# Altium PCB SV601187A.PcbDoc
Units mil, origin at the board's own origin, x right, y up, seen from the top; angles counter-clockwise.
Board outline 3505.91 x 2146 mil, 4 copper layers (Top Layer, MidLayer1, MidLayer2, Bottom Layer), stack 61.2 mil thick; 61 components, 29 nets, 173 pads, 46 vias.
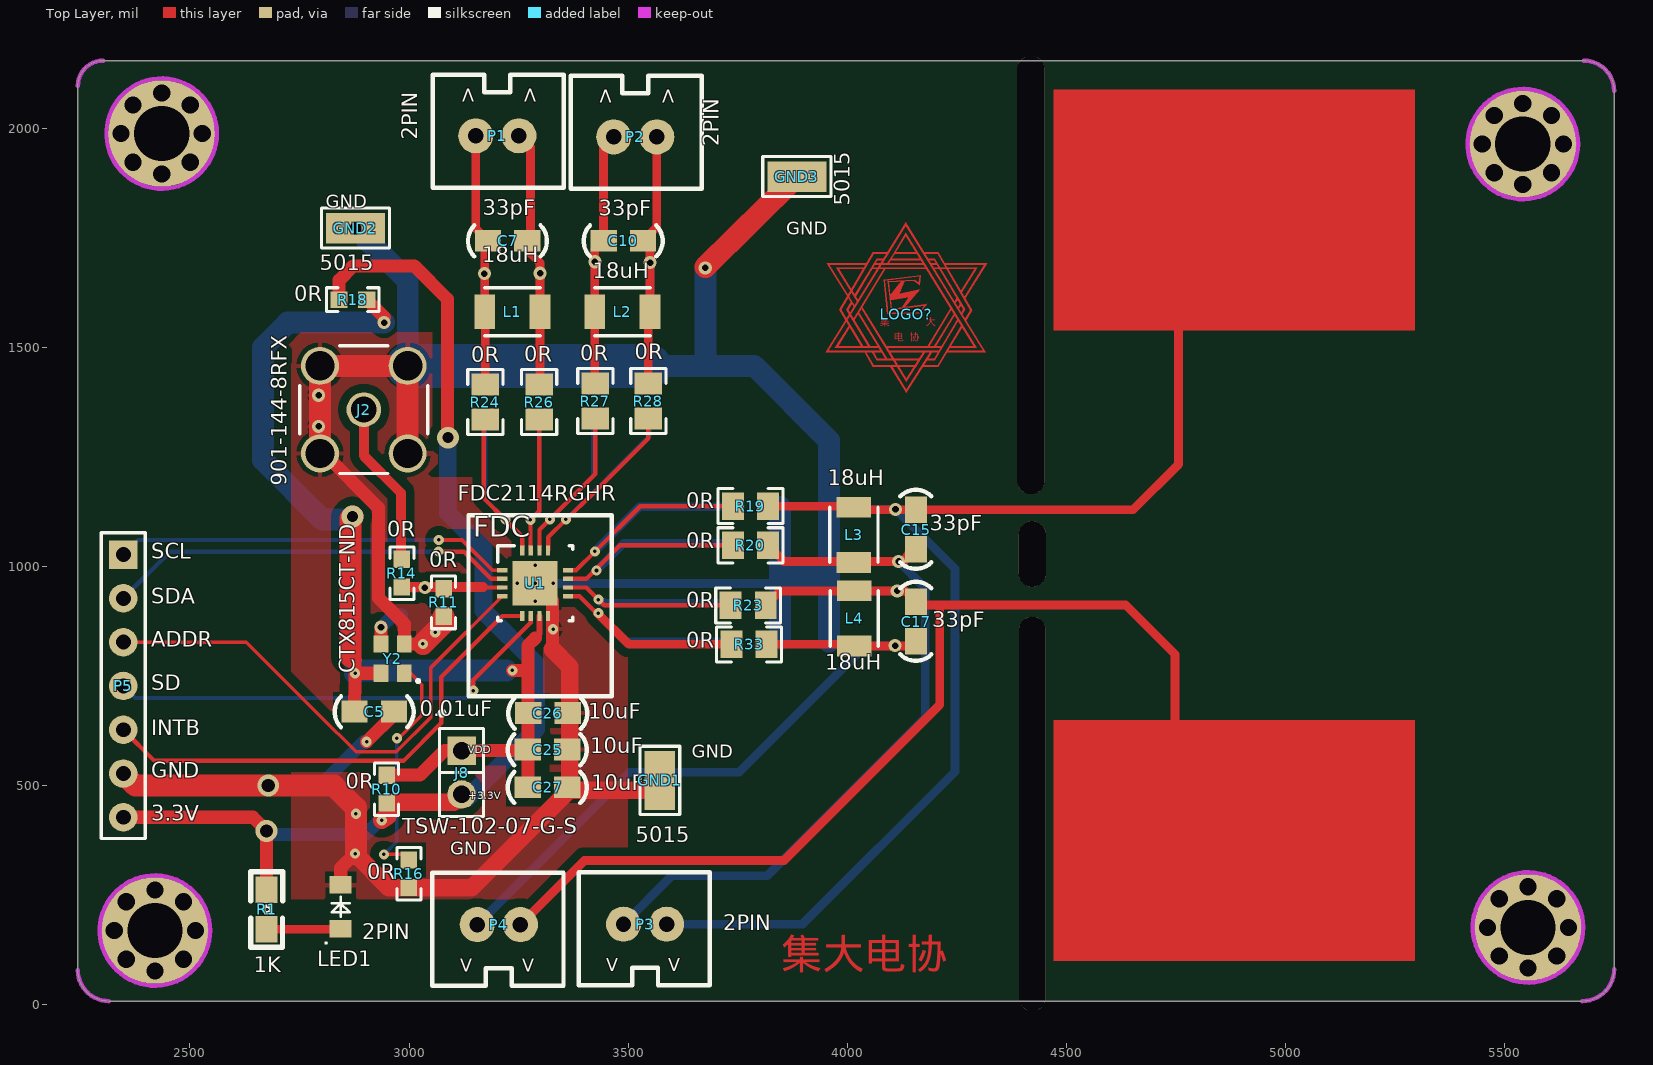
[diagram p0: Top Layer view]
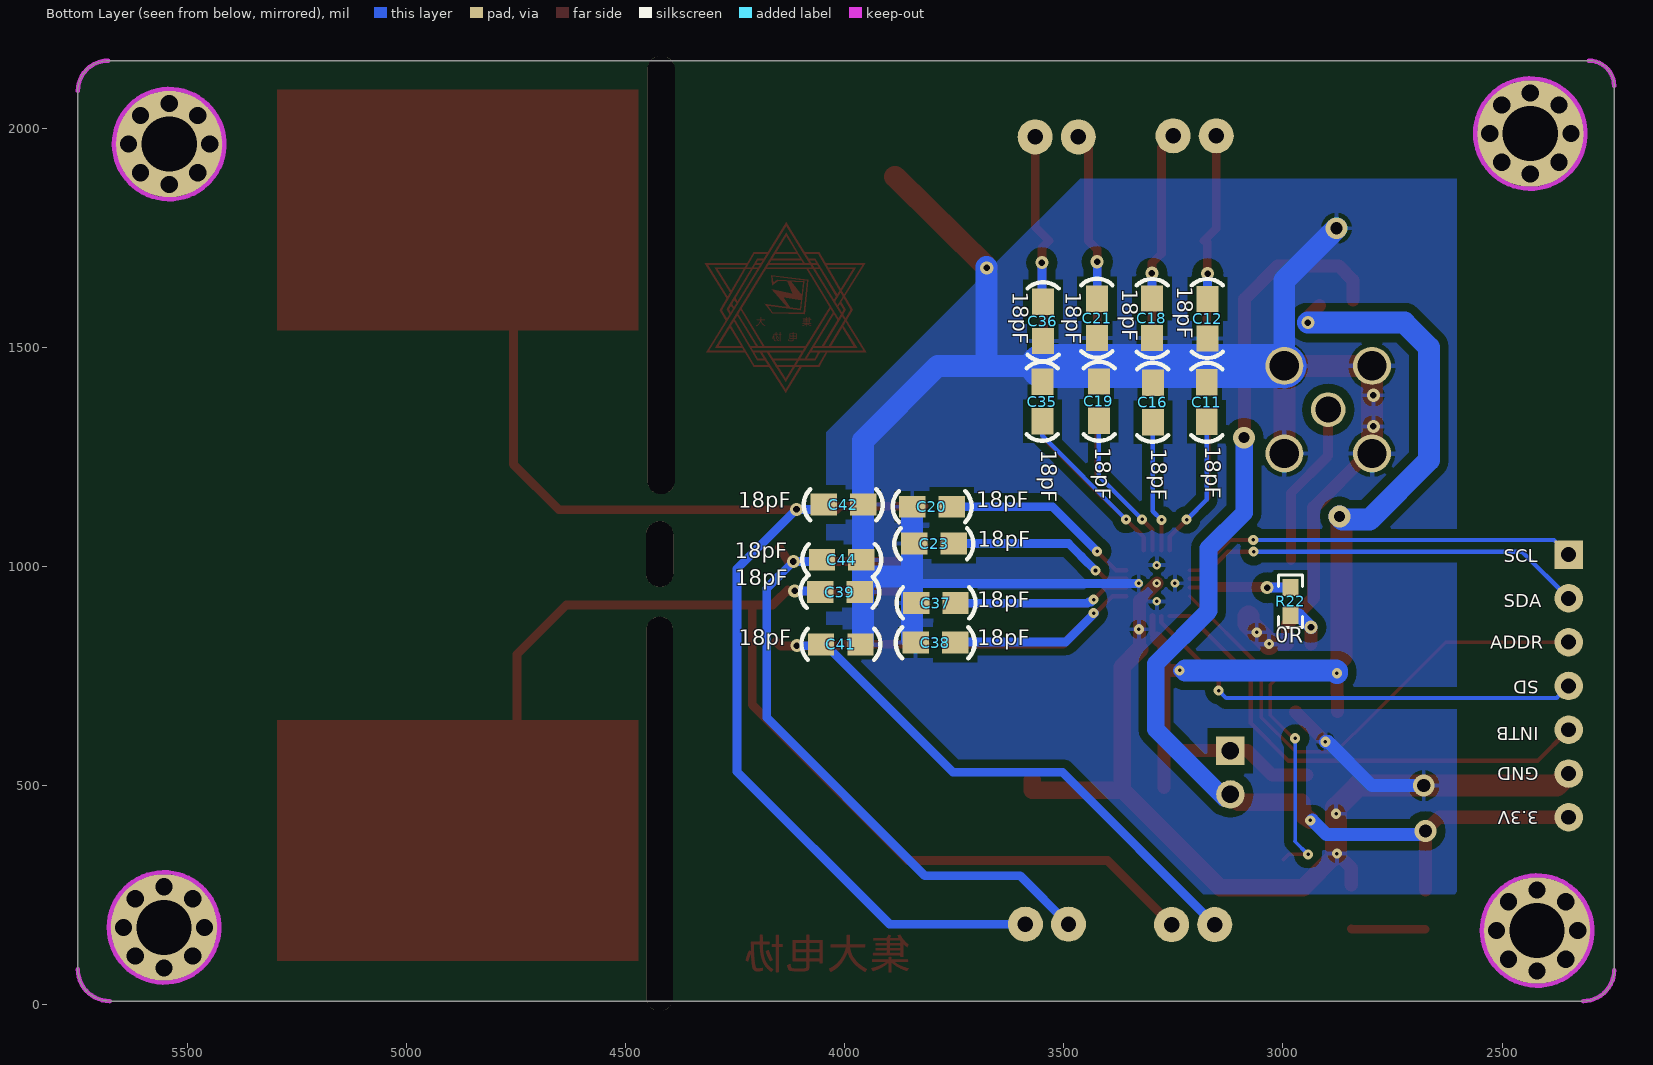
[diagram p1: Bottom Layer view, seen from below]
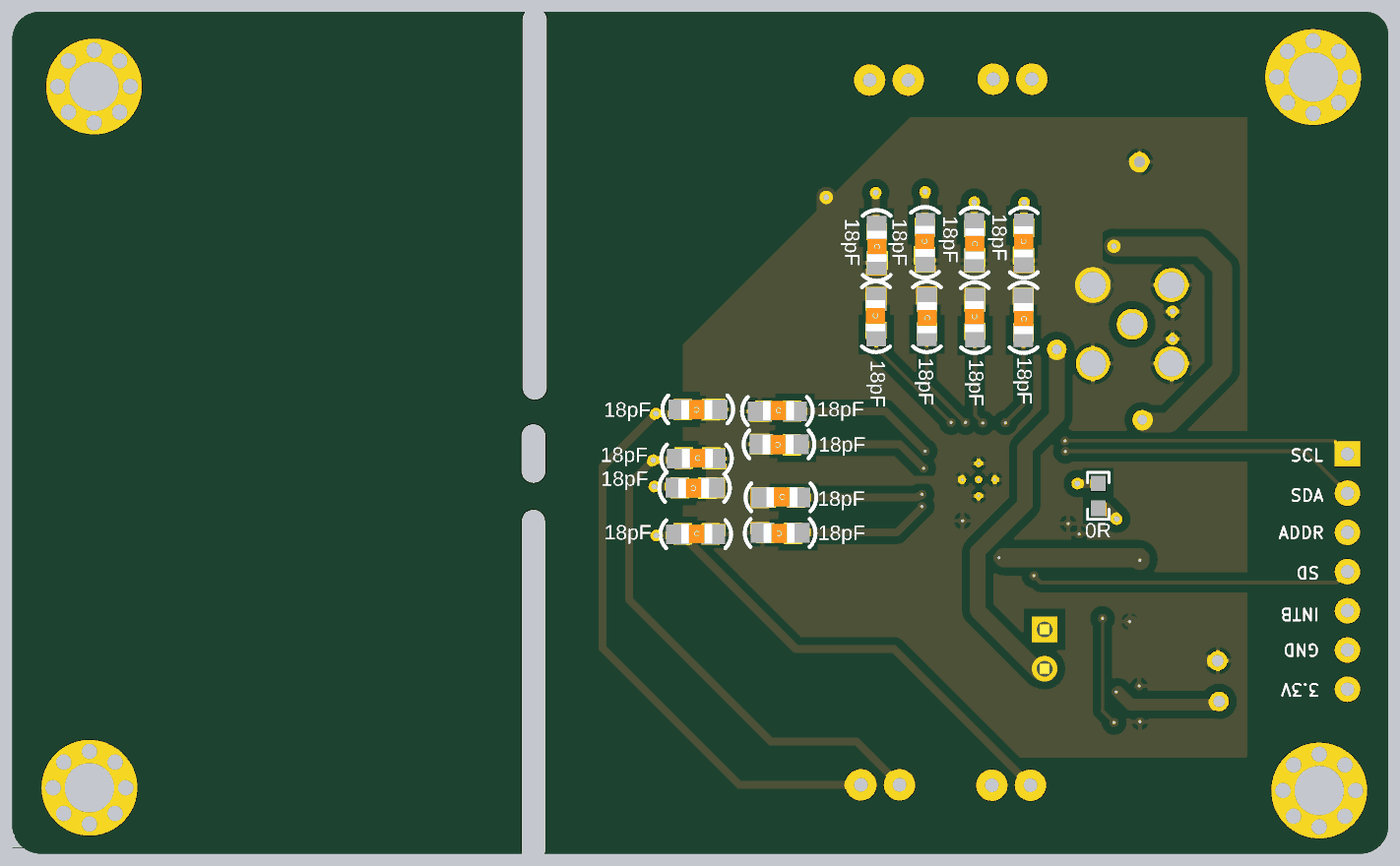
[diagram p2: 3D render of the assembled board from below, using the file's embedded part models]

## Layer stack, top to bottom
Top Solder: solder mask 0.4, Solder Resist, Dk 3.5
Top Layer: signal copper 1.4
Dielectric1: core 12.6, FR-4, Dk 3.9
MidLayer1: signal copper 1.4
Dielectric2: prepreg 30.4, FR-4, Dk 3.9
MidLayer2: signal copper 1.4
Dielectric3: core 12.6, FR-4, Dk 4.8
Bottom Layer: signal copper 1.4
Bottom Solder: solder mask 0.4, Solder Resist, Dk 3.5

## Board outline
2244.09,78.74 ccw(c2314.83,78.74) 2314.83,8 5677.29,8 ccw(c5677.29,80.71) 5750,80.71 5750,2084.65 ccw(c5680.65,2084.65) 5680.65,2154 2302,2154 ccw(c2302,2096.09) 2244.09,2096.09

## Design rules (kind name [scope] priority, off if disabled: settings)
AcuteAngle [All] p1: minimum=4.50000000000000E+0001 checktracksonly=FALSE
AssemblyTestPointUsage [All] p1: valid=2
Clearance Clearance_BoardEdge_MountingHoles [OnCopper and InComponentClass('Mounting Holes') vs IsKeepOut] p1: gap=40
Clearance Clearance_BoardEdge_Poly [OnCopper and InPoly vs IsKeepOut] p2: gap=25
Clearance Clearance_BoardEdge [OnCopper and Not InComponentClass('Logo') and not InComponentClass('FiducialMark') and not InRegion(1000,500,4000,800) and Not IsKeepout vs IsKeepOut] p3: gap=30
Clearance Clearance_Poly [InPolygon] p4: gap=20
Clearance [All] p5: gap=4
ComponentClearance ComponentClearance_Logo [InComponentClass('Logo')] p1: gap=50 collisioncheckmode=3 verticalgap=10 showdistances=FALSE
ComponentClearance ComponentClearance_ScrewToNut [(HasFootprint('NY PMS 440 0025 PH')) vs (HasFootprint('Keystone_1902C'))] p2: gap=5 collisioncheckmode=3 verticalgap=10 showdistances=FALSE
ComponentClearance ComponentClearance_MountingHoles [InComponentClass('Mounting Holes')] p3: gap=250 collisioncheckmode=3 verticalgap=100000 showdistances=FALSE
ComponentClearance ComponentClearance_SmallPassives [HasFootprint('0201*') or HasFootprint('0402*') or HasFootprint('0508') or HasFootprint('0603*') or HasFootprint('0612') or HasFootprint('0805*') or HasFootprint('0815*') or HasFootprint('0830*') or HasFootprint('1206*') or HasFootprint('1210*') or HasFootprint('1808*') or HasFootprint('1812*') or HasFootprint('1825*') or HasFootprint('2010*') or HasFootprint('2220*') or HasFootprint('2225*') or HasFootprint('2512*') or HasFootprint('2728*') or HasFootprint('3518*') vs HasFootprint('0201*') or HasFootprint('0402*') or HasFootprint('0508') or HasFootprint('0603*') or HasFootprint('0612') or HasFootprint('0805*') or HasFootprint('0815*') or HasFootprint('0830*') or HasFootprint('1206*') or HasFootprint('1210*') or HasFootprint('1808*') or HasFootprint('1812*') or HasFootprint('1825*') or HasFootprint('2010*') or HasFootprint('2220*') or HasFootprint('2225*') or HasFootprint('2512*') or HasFootprint('2728*') or HasFootprint('3518*')] p4: gap=20 collisioncheckmode=3 verticalgap=10 showdistances=FALSE
ComponentClearance ComponentClearance_THtoSMT [IsThruComponent vs IsSMTComponent] p5: gap=75 collisioncheckmode=3 verticalgap=30 showdistances=FALSE
ComponentClearance ComponentClearance_THtoTH [IsThruComponent vs IsThruComponent] p6: gap=78.74 collisioncheckmode=3 verticalgap=30 showdistances=TRUE
ComponentClearance [All] p7: gap=40 collisioncheckmode=3 verticalgap=10 showdistances=FALSE
DiffPairsRouting [All] p1: maxlimit=100 minlimit=10 mostfreqgap=10 toplayer_minwidth=15 toplayer_maxwidth=15 toplayer_prefwidth=15 midlayer1_minwidth=15 midlayer1_maxwidth=15 midlayer1_prefwidth=15 midlayer2_minwidth=15 midlayer2_maxwidth=15 midlayer2_prefwidth=15 bottomlayer_minwidth=15 bottomlayer_maxwidth=15 bottomlayer_prefwidth=15 maxuncoupledlength=1000
FabricationTestPointUsage TestPointUsage [All] p1: valid=2 allowmultiple=FALSE
FabricationTestpoint Testpoint [All] p1: side=3 testpointundercomponent=TRUE minsize=40 maxsize=100 preferedsize=60 minholesize=0 maxholesize=40 preferedholesize=32 testpointgrid=1 allowsidetop=TRUE allowsidebottom=TRUE usegrid=TRUE gridtolerance=0.01
FanoutControl Fanout_LCC [IsLCC] p1: bgadir=Out bgaviamode=Centered fanoutstyle=Auto fanoutdirection=Alternating viagrid=1 // Fanout_LCC (Default Rule)
FanoutControl Fanout_BGA [IsBGA] p2: bgadir=Out bgaviamode=Centered fanoutstyle=Auto fanoutdirection=Alternating viagrid=1 // Fanout_BGA (Default Rule)
FanoutControl Fanout_Default [All] p4: bgadir=Out bgaviamode=Centered fanoutstyle=Auto fanoutdirection=Alternating viagrid=1 // Fanout_Default (Default Rule)
FanoutControl Fanout_Small [(CompPinCount < 5)] p5: bgadir=Out bgaviamode=Centered fanoutstyle=Auto fanoutdirection=OutThenIn viagrid=1 // Fanout_Small (Default Rule)
HoleSize [All] p1: absolutevalues=TRUE maxlimit=251 minlimit=7.87 maxpercent=80.000 minpercent=20.000
HoleToHoleClearance [All] p1: gap=21 allowstackedmicrovias=TRUE
MinimumAnnularRing MinimumAnnularRing_ThermalPadVias [IsVia and InAnyComponent] p1: minimumring=5.91
MinimumAnnularRing [All] p2: minimumring=6
MinimumSolderMaskSliver MinimumSolderMaskSliver_Logo [InComponentClass('Logo') vs InComponentClass('Logo')] p1: minsoldermaskwidth=0.7
MinimumSolderMaskSliver [All] p2: minsoldermaskwidth=3.94
PlaneConnect [All] p1: planeconnectstyle=Relief reliefexpansion=10 reliefentries=4 reliefconductorwidth=10 reliefairgap=10
PolygonConnect [All] p1: connectstyle=Relief reliefconductorwidth=10 reliefentries=4 polygonreliefangle="90 Angle" airgapwidth=10
RoutingVias ThermalPadVias [IsVia and InAnyComponent] p1: holewidth=7.87 width=19.68 viastyle="Through Hole" minholewidth=7.87 minwidth=19.68 maxholewidth=12.99 maxwidth=23.62
RoutingVias [All] p2: holewidth=16 width=34 viastyle="Through Hole" minholewidth=7.87 minwidth=20 maxholewidth=40 maxwidth=65
SMDToCorner [All] p1: distance=30000
SilkToSilkClearance [All] p1: silktosilkclearance=5
SilkToSolderMaskClearance SilkscreenOverComponentPads [IsPad] p1: minsilkscreentomaskgap=5 clearancetoexposedcopper=TRUE
SolderMaskExpansion [All] p1: expansion=1.97
Width [All] p1: maxlimit=200 minlimit=4 preferedwidth=10 toplayer_maxwidth=100 midlayer1_maxwidth=100 midlayer2_maxwidth=100 minimp=50.000000 maximp=50.000000 favimp=50.000000 checkconnectedcopper=TRUE
15 further rules are at their usual default settings.

## Classes and differential pairs
component class Header: J8

## Components (designator, comment, footprint, x,y, rotation, side; value= is the part's Value field where it differs from the comment)
C5 "0.01uF" 0805C 2960.7,668.51 r180 top
C7 "33pF" 0805C 3265,1743 r180 top
C10 "33pF" 0805C 3528.93,1743 r180 top
C11 "18pF" 0805C 3173.93,1414.85 r270 bottom
C12 "18pF" 0805C 3171.93,1525.06 r90 bottom
C15 "33pF" 0805C 4157,1044 r90 top
C16 "18pF" 0805C 3296.93,1333.91 r90 bottom
C17 "33pF" 0805C 4157,834 r90 top
C18 "18pF" 0805C 3298.93,1606 r270 bottom
C19 "18pF" 0805C 3419.93,1417 r270 bottom
C20 "18pF" 0805C 3841,1136 r180 bottom
C21 "18pF" 0805C 3423.94,1525.88 r90 bottom
C23 "18pF" 0805C 3756.06,1052 r0 bottom
C25 "10uF" 0805C 3356,582 r180 top
C26 "10uF" 0805C 3357,665 r180 top
C27 "10uF" 0805C 3356,496 r180 top
C35 "18pF" 0805C 3548.93,1336.06 r90 bottom
C36 "18pF" 0805C 3547.93,1599 r270 bottom
C37 "18pF" 0805C 3832,916 r180 bottom
C38 "18pF" 0805C 3753.06,826 r0 bottom
C39 "18pF" 0805C 3971,941 r0 bottom
C41 "18pF" 0805C 4049,822 r180 bottom
C42 "18pF" 0805C 3962.85,1140.93 r0 bottom
C44 "18pF" 0805C 4047,1015 r180 bottom
GND1 "5015" Testpoint_Keystone_Miniature 3571.7,511.51 r90 top
GND2 "5015" Testpoint_Keystone_Miniature 2877.7,1771.51 r180 top
GND3 "5015" Testpoint_Keystone_Miniature 3885,1889 r180 top
H1 "M3定位孔" 定位孔 5554,177 r0 top
H2 "M3定位孔" 定位孔 2436.12,1988.5 r0 top
H3 "M3定位孔" 定位孔 5542.28,1964.5 r0 top
H4 "M3定位孔" 定位孔 2420.7,169.92 r0 top
J2 "901-144-8RFX" Amphenol_901-144-8RFX 2896.7,1357.51 r90 top
J8 "TSW-102-07-G-S" TSW-102-07-G-S 3119.7,529.51 r270 top
L1 "18uH" CMH322522 3235.93,1581 r180 top
L2 "18uH" CMH322522 3486.93,1581 r180 top
L3 "18uH" CMH322522 4015,1071.99 r90 top
L4 "18uH" CMH322522 4016,881.01 r90 top
LED1 "LED" 0805LED(GREEN) 2842,175 r90 top
LOGO? "" 电协LOGO 4135,1575 r0 top
P1 "2PIN" 接线端子(2.54mm)-2PIN 3256,1980 r180 top
P2 "2PIN" 接线端子(2.54mm)-2PIN 3570.84,1977.56 r180 top
P3 "2PIN" 接线端子(2.54mm)-2PIN 3483.86,185.95 r0 top
P4 "2PIN" 接线端子(2.54mm)-2PIN 3150.22,184.95 r0 top
P5 "" "Header 7" 2348,726 r0 top
R1 "1K" 0805R 2676.2,176.51 r90 top
R10 "0R" 0603 2948.7,491.51 r90 top
R11 "0R" 0603 3078.7,917.51 r270 top
R14 "0R" 0603 2983.7,984.51 r90 top
R16 "0R" 0603 2999.7,298.51 r90 top
R18 "0R" 0603 2871.7,1608.51 r0 top
R19 "0R" 0805_HV 3778.98,1137.29 r0 top
R20 "0R" 0805_HV 3778.86,1048 r0 top
R22 "0R" 0603 2982.7,920.01 r90 bottom
R23 "0R" 0805_HV 3773.86,911 r0 top
R24 "0R" 0805_HV 3173.92,1374.85 r90 top
R26 "0R" 0805_HV 3296.93,1374.85 r90 top
R27 "0R" 0805_HV 3424.93,1377 r90 top
R28 "0R" 0805_HV 3545.93,1377 r90 top
R33 "0R" 0805_HV 3775.86,822 r0 top
U1 "FDC2114RGHR" RGH0016A 3287.7,961.51 r0 top
Y2 "CTX815CT-ND" OSC_CTS_625 2962.7,789.51 r180 top

## Footprints (in the part's own frame and the unit in brackets; to place one, negate y for a bottom-side part, rotate by r counter-clockwise, add the part's x,y. Pads: shape width x height; smd on the part's side, far side on the other; paste and mask are expansions set on the pad)
0603 [mm] "0603 from SM-752 data"
  rect 1x0.95 smd: 1(-0.8,0) 2(0.8,0)
  silkscreen extent -1.52,-0.69 1.52,0.69, body extent -0.87,-0.47 0.87,0.47, height 0.85
0805_HV [mil] "0805 with 30mil clearance between pads"
  rect 50x63 smd: 1(-40,0) 2(40,0)
  silkscreen extent -74,-40 74,40, body extent -43,-29 43,29, height 43
0805C [mil]
  rect 60x50 smd: 1(-5,0) 2(85,0)
  silkscreen extent -50,-35 131,36, body extent -16,-26 102,29, height 37
0805LED(GREEN) [mil]
  rect 40x50 smd: 1(-2,-2) 2(98,-2)
  silkscreen extent -36,-22 71,33, body extent 7,-27 87,23, height 43
0805R [mil]
  rect 60x50 smd: 1(-4.51,1.2) 2(85.49,1.2)
  silkscreen extent -46,-36 126,37, body extent -1,-23 78,26, height 18
Amphenol_901-144-8RFX [mm] "SMA Straight Jack, TH"
  round 2 hole 1.5: 1(0,0)
  round 2.2 hole 1.7: 2(-2.54,2.54) 3(-2.54,-2.54) 4(2.54,-2.54) 5(2.54,2.54)
  silkscreen extent -3.7,-3.7 3.7,3.7, body extent -3.7,-3.7 3.7,3.7, height 9.93
CMH322522 [mm] "Bourns"
  rect 1.2x2 smd: 1(-1.6,0) 2(1.6,0)
  silkscreen extent -1.6,-1.4 1.6,1.4, body extent -1.7,-1.35 1.7,1.35, height 2.4
"Header 7" [mil]
  rect 65x65 hole 34: 1(0,301)
  round 65 hole 34: 2(0,201) 3(0,101) 4(0,1) 5(0,-98.8) 6(0,-198.8)
  round 65 hole 34 paste+0: 7(0,-298.61)
  silkscreen extent -50,-347 50,351, body extent -50,-349 50,351, height 336
OSC_CTS_625 [mm] "CTS"
  rect 0.85x1 smd: 1(-0.675,0.85) 2(-0.675,-0.85) 3(0.675,-0.85) 4(0.675,0.85)
  silkscreen extent -1.53,1.25 -1.43,1.35, body extent -1.1,-1.35 1.1,1.35, height 1.02
RGH0016A [mm] "QFN, 16-Leads, Body 4x4mm, Pitch 0.5mm, TI Recommended"
  rect 0.6x0.25 smd: 1(-1.9,0.75) 2(-1.9,0.25) 3(-1.9,-0.25) 4(-1.9,-0.75) 9(1.9,-0.75) 10(1.9,-0.25) 11(1.9,0.25) 12(1.9,0.75)
  rect 0.25x0.6 smd: 5(-0.75,-1.9) 6(-0.25,-1.9) 7(0.25,-1.9) 8(0.75,-1.9) 13(0.75,1.9) 14(0.25,1.9) 15(-0.25,1.9) 16(-0.75,1.9)
  rect 2.6x2.6 smd paste-1.3: 17(0,0)
  silkscreen extent -2.17,-2.17 2.17,2.17, body extent -2.05,-2.05 2.05,2.05, height 0.81
Testpoint_Keystone_Miniature [mil] "Miniature SMT test point"
  rect 135x70 smd: 1(0,0)
  silkscreen extent -78,-46 78,45, body extent -52,-20 52,20, height 61
TSW-102-07-G-S [mm] "Samtec 100mil, 1x2, 230 mil above insulator"
  rect 1.65x1.65 hole 1.016 mask+0: 1(-1.27,0)
  round 1.65 hole 1.016 mask+0: 2(1.27,0)
  silkscreen extent -3.56,-1.27 2.54,1.27, body extent -2.54,-1.27 2.54,1.27, height 8.38
定位孔 [mm]
  round 1 hole 1: 1(-2.368,-0.023) 1(-1.679,-1.685) 1(-1.679,1.638) 1(-0.018,-2.373) 1(-0.018,2.327) 1(1.644,-1.685) 1(1.644,1.638) 1(2.332,-0.023)
  round 6.2 hole 3.2: 1(-0.018,-0.023)
  Keep-Out Layer circle w0.254: c-0.018,-0.023 r3.2
接线端子(2.54mm)-2PIN [mil]
  round 80 hole 35: 1(5.42,-2.44) 2(103.84,-2.44)
  silkscreen extent -97,-142 202,116, body extent -49,-139 151,111, height 460
电协LOGO [mil]
  Top Layer region: -12.1,75.24 -37.85,42.49 -36.1,32.74 4.9,38.74 -11.1,14.74 -5.1,14.74 31.9,57.74 -16.6,46.74 -3.6,76.74
  Top Layer region: -1.1,209.74 -12.1,192.74 -184.1,-86.26 -176.1,-86.26 -57.1,-86.31 -55.1,-83.26 -61.75,-72.19 -65.1,-73.26 -156.1,-73.26 -129.1,-29.26 -131.1,-25.26 -163.1,-76.26 -63.1,-76.26 -58.6,-83.26 -178.1,-83.26 -1.1,202.74 52.9,114.74 174.9,-83.26 94.9,-83.26 92.9,-86.26 180.9,-86.26 170.9,-70.26
  Top Layer region: -44.1,116.74 -30.1,137.74 -1.1,185.74 159.9,-76.26 98.9,-76.26 100.9,-73.26 153.9,-73.26 -1.1,179.74 -40.1,116.74
  Top Layer region: 48.9,126.74 64.9,126.74 133.9,11.74 126.9,-0.26 124.9,3.74 129.9,11.74 62.9,123.74 50.9,123.74
  Top Layer region: -46.1,-73.26 23.9,-73.26 79.9,-73.26 78.9,-76.26 -46.1,-76.26
  Top Layer region: -40.1,-83.26 29.9,-83.26 75.9,-83.26 74.9,-86.26 -40.1,-86.26
  Top Layer region: -66.1,-101.26 -24.1,-101.26 31.9,-101.26 30.9,-104.26 -68.1,-104.26 -79.1,-85.26 -75.1,-86.26
  Top Layer region: 39.9,141.74 72.9,141.74 149.9,9.74 134.9,-15.26 132.9,-11.26 145.9,9.74 70.9,138.74 39.9,138.74
  Top Layer region: -43.1,141.74 -77.03,141.74 -153.1,10.74 -101.56,-75.17 -99.1,-73.26 -149.1,10.74 -75.1,138.74 -43.1,138.74
  Top Layer region: -91.1,116.74 -182.1,116.74 -119.1,15.74 -117.1,17.74 -176.1,113.74 -93.1,113.74
  Top Layer region: -95.6,106.74 -160.6,106.74 -112.1,28.74 -109.1,29.74 -154.6,103.74 -99.1,103.74
  Top Layer region: -51.1,104.74 -121.6,-10.76 -119.6,-13.76 -47.1,104.74
  Top Layer region: 101.9,15.74 46.9,-73.76 47.9,-75.26 51.9,-73.26 103.9,12.74
  Top Layer region: 109.9,3.74 61.9,-74.26 65.9,-75.26 111.9,0.74
  Top Layer region: 116.76,-10.47 62.9,-101.26 47.9,-101.26 46.9,-104.26 64.9,-104.26 119.9,-12.26
  Top Layer region: 125.9,-23.26 70.9,-116.26 37.9,-116.26 35.9,-119.26 72.9,-119.26 127.9,-27.26
  Top Layer region: -125.1,25.74 -125.72,29.35 -137.1,10.74 -85.56,-75.17 -83.1,-73.26 -133.1,10.74 -122.8,26.44
  Top Layer region: -74.6,-116.26 -32.6,-116.26 23.4,-116.26 22.4,-119.26 -76.6,-119.26 -96.6,-84.26 -92.6,-85.26
  Top Layer region: -37.1,-119.26 -13.1,-158.26 -0.82,-179.09 59.9,-84.26 55.9,-84.26 -0.82,-172.26 -34.1,-117.26 -37.1,-118.26
  Top Layer region: -102.86,14.35 -13.1,-133.26 -0.82,-154.09 43.9,-84.26 39.9,-84.26 -0.82,-147.26 -34.1,-92.26 -102.1,18.74
  Top Layer region: -110.86,2.35 -46.94,-102.76 -43.6,-102.76 -43.98,-101.19 -110.1,6.74
  Top Layer region: 32.9,89.74 29.9,66.74 16.9,76.74 18.9,78.74 27.9,71.74 29.9,86.74 -49.1,76.74 -41.6,3.24 29.9,4.74 40.9,19.74 -35.1,9.74 -43.1,75.74 18.9,78.74 17.9,77.74 16.9,76.74 -40.1,73.74 -33.1,12.74 41.9,22.74 46.9,23.74 30.9,2.74 -44.1,0.74 -52.1,78.74
  Top Layer region: -70.1,116.74 38.9,116.74 38.9,115.74 39.9,113.74 -72.1,113.74
  Top Layer region: -79.1,103.74 -77.1,106.74 43.9,106.74 45.9,103.74
  Top Layer region: -37.1,126.74 32.9,126.74 31.9,126.74 33.9,125.74 33.9,123.74 -39.1,123.74
  Top Layer region: -52.1,126.74 -68.1,126.74 -118.6,43.24 -116.1,40.74 -66.1,123.74 -54.1,123.74
  Top Layer region: 68.9,116.74 54.9,116.74 52.9,114.74 56.9,114.74 57.9,113.74 68.9,113.74
  Top Layer region: 75.9,106.74 61.9,106.74 59.9,104.74 62.9,103.74 63.9,103.74 64.9,103.74 75.9,103.74
  Top Layer region: -26.1,141.74 23.9,141.74 24.9,140.74 25.9,139.74 26.9,138.74 -28.1,138.74
  Top Layer region: 86.9,116.74 182.9,116.74 183.9,116.74 133.9,36.74 131.4,39.24 177.9,113.74 87.9,113.74
  Top Layer region: 64.9,106.74 160.9,106.74 161.9,106.74 124.9,47.74 123.9,52.74 155.9,103.74 65.9,103.74
  Top Layer region: 108.9,27.74 114.9,37.74 116.9,35.74 116.9,33.74 111.9,25.74 109.9,25.74
  Top Layer region: 116.9,14.74 122.9,24.74 124.9,22.74 124.9,20.74 119.9,12.74 117.9,12.74

## Part data
C5 C7 C10 C11 C12 C15 C16 C17 C18 C19 C20 C21 C23 C25 C26 C27 C35 C36 C37 C38 C39 C41 C42 C44: library part Cap1, "无极贴片电容"
GND1 GND2 GND3: "Test Point, Miniature, SMT"
J2: "SMA Straight Jack, Gold, 50 Ohm, TH"
J8: "Header, TH, 100mil, 2x1, Gold plated, 230 mil above insulator"
L1 L2 L3 L4: library part CMH322522-180KL, "Inductor, Shielded, Ferrite, 18 μH, 0.12 A, 3.3 ohm, SMD"
LED1: "发光二极管"
LOGO?: library part 电协LOGO, "电协LOGO"
P1 P2 P3 P4: library part 接线端子-2PIN
P5: library part "Header 7", "排针"
R1: library part Res, "电阻"
R10 R11 R14 R16 R18 R19 R20 R22 R23 R24 R26 R27 R28 R33: library part CRCW08050000Z0EA, "RES, 0 ohm, 5%, 0.125W, 0805"
U1: "Multi-Channel 12/26-Bit Capacitance to Digital Converter (FDC) for Capacitive Sensing, RGH0016A"
Y2: library part 625L3C040M00000, "OSC, 40 MHz, 3.3 V, SMD"

## Free pads (board coordinates)
  oval 62x1000 hole 62 slot 1000 at 90 deg unplated: 0(4419,1665)
  oval 60x900 hole 60 slot 900 at 90 deg unplated: 0(4422,435)
  oval 62x150 hole 62 slot 150 at 90 deg unplated: 0(4422,1028)

## Via types
v1: diameter 23, hole 8, Top Layer to Bottom Layer, tented both sides, 22 vias
v2: diameter 30, hole 15, Top Layer to Bottom Layer, 14 vias
v3: diameter 19.68, hole 7.87, Top Layer to Bottom Layer, 5 vias
v4: diameter 50, hole 25, Top Layer to Bottom Layer, 2 vias
v5: diameter 50, hole 30, Top Layer to Bottom Layer, 2 vias
v6: diameter 50, hole 28, Top Layer to Bottom Layer, 1 vias

## Nets (pads, with @x,y where several pads share a name; then routed paths per layer and width w, separated by ;. In a path a pad name is that pad's centre, name@x,y a point inside that pad or via, vN(x,y) a via of type N, cw(c..) or ccw(c..) an arc to the next point about the centre after c; other vN are vias at no path point)
+3.3V: J8.2 P5.7 R1.2 R10.1 R18.1 | length 2603.9
  Top Layer w30: P5.7 2643.81,427.39 v5(2675,396.2) R1.2 ; R18.1 2840.21,1653.21 2872.5,1685.5 3011.71,1685.5 3087.7,1609.51 3087.7,1301.51 3095.7,1293.51 v4(3088.7,1293.51)
  Top Layer w40: v1(2937.7,420.51) 2952.3,430.97 2956.7,457.7 2956.86,458.67 2957.4,461.92 3102.11,461.92 J8.2
  Bottom Layer w8: v1@2935.23,418.04 v1(2937.7,420.51)
  Bottom Layer w30: v5@2678.7,399.91 2690.7,387.91 2900.15,387.91 v1@2932.76,420.51
  Bottom Layer w40: v4(3088.7,1293.51) 3088.7,1122.51 3169.86,1041.35 3169.86,898.14 3289.94,778.06 3289.94,627.75 J8.2@3132.7,470.51
ADDR: P5.3 U1.4 | length 1181.7
  Top Layer w8: P5.3 2628.41,827 2815.7,639.7 2858.52,597.7 2879.51,576.71 2970.71,576.71 3050,656 3050,769.08 U1.4
CLKIN: R11.1 R14.1 R22.2 U1.3 | length 281.3
  Top Layer w10: 3169.86,951.67 U1.3
  Top Layer w23: R14.1 3168.52,953.02
  Bottom Layer w23: R22.2 v2(3036.2,951.5)
GND: C5.1 C11.1 C12.1 C16.2 C18.2 C19.1 C20.1 C21.1 C23.2 C25.1 C26.1 C27.1 C35.2 C36.2 C37.1 C38.2 C39.1 C41.2 C42.1 C44.2 GND1.1 GND2.1 GND3.1 J2.2 J2.3 J2.4 J2.5 LED1.2 P5.6 R11.2 R16.1 U1.8 U1.17 Y2.2 | length 7035.5
  Top Layer w30: J2.2 2806.49,1257.51 2930,1134 2930,928 2989.28,868.72 Y2.2 v1(3031.66,822.98) ; LED1.2 2844,311.81 v1(2876.7,344.51) ; v1(2902.9,599.71) C5.1@2970.6,667.4 ; v3(3287.7,961.51) 3327.33,921.89 3327.33,886.71 3327.33,810.67
  Top Layer w40: v1@2878.7,342.51 2954.2,267.02 3143.21,267.02 3366.7,490.51 3366.7,582 3366.7,771.3 3327.33,810.67 ; C27.1@3366.7,489.51 3571.7,489.51 GND1.1
  Top Layer w50: P5.6 2375.49,499.71 v5(2678.7,499.71) 2828.51,499.71 2878.7,449.51 v1(2878.7,435.51) v1@2878.7,342.51 ; J2.2 J2.5 J2.4 J2.3 ; v1(3031.66,822.98) 3078.7,870.02 R11.2 ; v2@3676,1683 GND3.1
  Bottom Layer w20: v3@3329.34,961 3846,961 3846,977 ; C38.2 C38.2@3846,833.94 ; C20.1@3843,1133 C20.1 ; C41.2@3957.85,828.15 C41.2
  Bottom Layer w30: v5(2678.7,499.71) 2796.7,499.71 2896.7,599.71 v1(2902.9,599.71) ; J2.4 J2.4@2997,1457.81
  Bottom Layer w50: v6(2877.7,1771.51) 2997,1652.22 J2.4@2997,1457.81 ; 3548.51,1457.51 3684,1457.51 ; v2@3676,1683 v2(3676,1681) 3676,1465.51 3684,1457.51 ; C38.2@3846,833.94 3846,961 ; C20.1 3846,977 3956.85,977 3957.85,976 ; C41.2@3957.85,828.15 3957.85,976 ; 3684,1457.51 3787.49,1457.51 3957.85,1287.15 C42.1 3957.85,976
  Bottom Layer w100: J2.4 3548.51,1457.51
  other v1: 3059.7,849.51 3328.7,856.51
  other v2: 2793.7,1319.51 2793.7,1390.51
  other v3: 3287.7,920.17 3246.37,961.51 3329.04,961.51 3287.7,1002.85
IN0A: C38.1 R33.1 U1.9 | length 769.8
  Top Layer w10: U1.9@3357.51,931.98 3389.02,931.98 3427.78,893.22 v1@3430,893.22
  Top Layer w20: v1@3430,893.22 3501.22,822 R33.1
  Bottom Layer w20: v1@3430,893.22 3495.7,827.51 3746.54,827.51 C38.1
  other v1: 3432.22,893.22
IN0B: C37.2 R23.1 U1.10 | length 711.3
  Top Layer w10: U1.10@3357.51,951.67 3404.55,951.67 v1(3432.22,924) 3445.22,911 R23.1
  Bottom Layer w20: v1(3432.22,924) 3437.5,918.72 3442.78,918.72 3445.5,916 C37.2
IN1A: C23.1 R20.1 U1.11 | length 762
  Top Layer w10: U1.11@3357.51,971.35 3404.55,971.35 3481.19,1048 R20.1
  Bottom Layer w20: v1(3427.7,990.51) 3427.77,990.51 3459.5,1022.25 3459.5,1022.31 3489.19,1052 C23.1
IN1B: C20.2 R19.1 U1.12 | length 816.3
  Top Layer w10: U1.12@3357.51,991.04 3381.04,991.04 v1(3424,1034) 3527.29,1137.29 R19.1
  Bottom Layer w20: v1(3424,1034) 3526,1136 C20.2
IN2A: C35.1 R28.1 U1.13 | length 699.6
  Top Layer w10: U1.13 3317.23,1066.27 v1(3357.9,1106.93) 3418.49,1164.5 3545.93,1291.94 R28.1
  Bottom Layer w10: v1(3357.9,1106.93) 3548.93,1297.96 C35.1
IN2B: C19.2 R27.1 U1.14 | length 619.4
  Top Layer w10: U1.14 3297.55,1083.35 v1(3321.13,1106.93) 3424.93,1210.74 R27.1
  Bottom Layer w10: v1(3321.13,1106.93) 3419.93,1205.74 C19.2
IN3A: C16.1 R26.1 U1.15 | length 538.3
  Top Layer w10: U1.15 3277,1037.18 v1(3277,1106) 3296.93,1125.93 R26.1
  Bottom Layer w10: v1(3277,1106) 3296.93,1125.93 C16.1
IN3B: C11.2 R24.1 U1.16 | length 578.9
  Top Layer w10: R24.1 3170.11,1331.03 3170.11,1156.11 v1(3219.7,1106.51) 3258.18,1068.04 U1.16
  Bottom Layer w10: C11.2 3173.93,1152.29 v1(3219.7,1106.51)
INTB: P5.5 U1.5 | length 1138.2
  Top Layer w10: P5.5 2419.2,556 2987.19,556 3073.7,642.51 3073.7,747.51 3212.9,886.71 U1.5
NetC7_1: C7.1 C18.1 L1.1 P1.1 R26.2 | length 646.4
  Top Layer w20: P1.1 3277,1956.02 3277,1714 3298.92,1692.08 L1.1 3298.92,1416.84 R26.2
  Bottom Layer w20: C18.1 v2(3298.93,1668.93)
NetC7_2: C7.2 C12.2 L1.2 P1.2 R24.2 | length 634.4
  Top Layer w20: P1.2 3152.16,1770.84 C7.2 ; C7.2@3172.94,1740 L1.2 3173.92,1580.01 R24.2
  Bottom Layer w20: C12.2 v2(3171.93,1667.93)
NetC10_1: C10.1 C36.1 L2.1 P2.1 R28.2 | length 674.1
  Top Layer w20: R28.2 3545.93,1577.01 L2.1 v2(3549.92,1693) 3549.92,1727.01 C10.1 3565.43,1774.5 P2.1
  Bottom Layer w20: C36.1 3549.92,1605.99 v2(3549.92,1693)
NetC10_2: C10.2 C21.2 L2.2 P2.2 R27.2 | length 665.4
  Top Layer w20: R27.2 3423.94,1417.99 L2.2 v2(3423.94,1695) 3423.94,1723.01 C10.2 3443.93,1956.93 P2.2
  Bottom Layer w20: C21.2 v2(3423.94,1695)
NetC15_1: C15.1 C44.1 L3.1 P3.1 R20.2 | length 1692.3
  Top Layer w20: R20.2 3855.85,1011.01 4129.01,1011.01 C15.1@4149.39,1043.74
  Bottom Layer w20: P3.1 3599.77,294 3817,294 4178,655 4178,950.01 v2(4117.01,1011) C44.1@4054,1011
NetC15_2: C15.2 C42.2 L3.2 P3.2 R19.2 | length 3119.6
  Top Layer w20: R19.2 4010.7,1137.29 4018.99,1129 C15.2 4652,1129 4756,1233 4756,1850
  Bottom Layer w20: P3.2 3897.51,183.51 4246,532 4246,994 v2(4110.07,1129.93) C42.2@4047.85,1129.93
NetC17_1: C17.1 C41.1 L4.1 P4.1 R33.2 | length 1581.6
  Top Layer w20: R33.2 4012.02,822 L4.1 4146.02,818.02 C17.1
  Bottom Layer w20: P4.1@3155.64,197.96 P4.1 3503.13,530 3753,530 4045,822 4052.88,819.03 4053,818.98 v2(4109.02,818.98)
NetC17_2: C17.2 C39.2 L4.2 P4.2 R23.2 | length 2666.5
  Top Layer w20: P4.2 3400.55,329 3856,329 4211,684 4211,912 ; R23.2 3846.86,944 L4.2 v2(4114,944) 4127.76,944 4129.88,946.12 C17.2 4164,912 4211,912 ; 4748,594 4748,799 4635,912 4211,912
  Bottom Layer w20: C39.2 4059,944 v2(4114,944)
NetJ2_1: J2.1 R14.2 | length 377.7
  Top Layer w23: J2.1 2896.71,1252.51 2981.7,1167.51 R14.2@2981.7,1015.01
NetLED1_1: LED1.1 R1.1 | length 169.4
  Top Layer w20: R1.1 2843,172 LED1.1
NetR16_2: R16.2 Y2.1 | length 545.4
  Top Layer w8: v1(2942.7,342.51) 2987.2,342.51 R16.2 ; v1(2972,607.73) 2972,603.46 3029,660.46 3029,730.22 3003.17,756.05 Y2.1
  Bottom Layer w8: v1(2942.7,342.51) 2973,372.81 2972,373.81 v1(2972,607.73)
NetR22_1: R22.1 Y2.3 | length 96.2
  Top Layer w30: v2(2936,861) 2936,823.11 Y2.3
  Bottom Layer w30: v2(2936,861) 2963.51,888.51 R22.1
SCL: P5.1 U1.1 | length 907.6
  Top Layer w9: v1(3067.7,1060.51) 3120.49,1060.51 3189.96,991.04 U1.1
  Bottom Layer w9: P5.1 2381.51,1060.51 v1(3067.7,1060.51)
SD: P5.4 U1.6 | length 1041.7
  Top Layer w10: v1(3146.7,716.51) 3146.7,740.74 3277.86,871.9 U1.6
  Bottom Layer w10: P5.4 2375.49,699.51 3129.7,699.51 v1(3146.7,716.51)
SDA: P5.2 U1.2 | length 934.8
  Top Layer w10: v1(3066.7,1033.51) 3125.33,1033.51 3187.49,971.35 U1.2
  Bottom Layer w10: P5.2 2454.51,1033.51 v1(3066.7,1033.51)
VDD: C5.2 C25.2 C26.2 C27.2 J8.1 R10.2 R18.2 U1.7 Y2.4 | length 2534.3
  Top Layer w14: 3287.79,836.21 3297.55,845.98 U1.7
  Top Layer w30: 2866.7,794.51 2877.7,786.51 2877,785.81 v1(2877,756) ; C5.2 2877.02,745.95 2877.1,746.03 2877,746.14 v1(2877,756) ; R18.2@2916.2,1595.51 2943.7,1568.01 2943,1567.3 v2(2943,1556.3) ; Y2.4 v1(2877,756) v1(2877,756) ; R10.2@2944.7,523.56 3024.76,523.56 3081.19,580 C25.2@3271,580 ; v1(3235.7,762.51) 3271,762.51 ; C27.2 C25.2@3271,580 ; 3287.79,836.21 3271,819.43 3271,762.51 ; C25.2@3271,580 C25.2 3271,762.51
  Top Layer w50: 2866.7,794.51 2866.7,1109.7 v4(2871,1114)
  Bottom Layer w30: 3222.7,762.51 v1(3235.7,762.51)
  Bottom Layer w50: v4(2871,1114) 2864,1107 2802,1107 2667,1242 2667,1500 2723,1556 2942.7,1556 v2(2943,1556.3) ; v1(2877,756) 2877,760.79 2878.72,762.51 3222.7,762.51
pads on no net: H1.1 H2.1 H3.1 H4.1

## Polygon pours and split planes (outlines as drawn)
GND on Top Layer "Bottom Layer-No Net" (solid, remove dead copper, pour order 6): 2728,1473 2731,1470 2734,854 2731,240 2990,240 3255,240 3499,484 3499,1203 3051.22,1203 3042.37,1211.84 3065,1234.47 3065,1534 2753,1534 2725,1506 2734,1497 2734,1464
GND on Bottom Layer "Bottom Layer-No Net" (solid, remove dead copper, pour order 8): 2603,1885 3463,1885 4027,1321 4042,1306 4042,252 2608,252 2606,254 2603,257 2603,1881

## Keep-outs
Keep-Out Layer:
  lines w10: 2244.09,78.74 ccw(c2314.83,78.74) 2314.83,8 ; 2244.09,2096.09 cw(c2302,2096.09) 2302,2154 ; 5677.29,8 ccw(c5677.29,80.71) 5750,80.71 ; 5680.65,2154 cw(c5680.65,2084.65) 5750,2084.65

## Other copper
Top Layer:
  rectangle net NetC17_2: 4471,99 5296,649
  rectangle: 4471,1538 5296,2088
  text "集大电协" at 3847.7,58.51 h120

## Silkscreen, mask and mechanical layers (free items; w line width, h text height)
Top Overlay:
  lines w10: 3135.7,703.51 3135.7,1116.51 3462.7,1116.51 3462.7,703.51 3135.7,703.51
  text "GND" at 2809.7,1818.51 h30
  text "GND" at 3861,1757 h30
  text "FDC" at 3147,1052 h80
  text "SCL" at 2411.7,1005.7 h60
  text "SDA" at 2411.7,903.7 h60
  text "ADDR" at 2411.7,804.7 h60
  text "SD" at 2411.7,705.7 h60
  text "INTB" at 2411.7,603.7 h60
  text "VDD" at 3133.7,567.51 h30
  text "GND" at 3644.7,563.51 h30
  text "GND" at 2411.7,505.7 h60
  text "+3.3V" at 3134.7,462.51 h30
  text "3.3V" at 2411.7,407.7 h60
  text "GND" at 3093.7,341.51 h30
Bottom Overlay:
  text "SCL" at 2496.68,1009 h30
  text "SDA" at 2496.68,907 h30
  text "ADDR" at 2526.67,812 h30
  text "SD" at 2416.7,739 h30 r180
  text "INTB" at 2416.7,633 h30 r180
  text "GND" at 2416.7,542 h30 r180
  text "3.3V" at 2416.7,441 h30 r180
Top Solder:
  text "集大电协" at 3847.7,58.51 h120
M1 Board Outline:
  lines w8: 2244.09,78.74 2244.09,2096.09 ; 2302,2154 5680.65,2154 ; 2314.83,8 5677.29,8 ; 5750,80.71 5750,2084.65
M9 Title Sheet:
  lines w10: -491.5,-1333.5 -491.5,8166.5 14508.5,8166.5 ; -491.5,1041.5 -291.5,1041.5 ; -491.5,3416.5 -291.5,3416.5 ; -491.5,5791.5 -291.5,5791.5 ; -291.5,-1133.5 -291.5,7966.5 14308.5,7966.5 ; 2008.5,7966.5 2008.5,8166.5 ; 4508.5,7966.5 4508.5,8166.5 ; 7008.5,7966.5 7008.5,8166.5
  text "1" at 739.84,8036.5 h70
  text "2" at 3235.5,8036.5 h70
  text "3" at 5724.84,8036.5 h70
  text "4" at 8231.51,8036.5 h70
  text "A" at -416.5,6893.5 h70
  text "B" at -416.5,4513.5 h70
  text "C" at -416.5,2138.5 h70

## Text inside footprints (layer, text, board x,y; h text height)
LOGO?: Top Layer "协" at 4142.9,1508.74 h30; Top Layer "电" at 4105.9,1508.74 h30; Top Layer "大" at 4178.9,1543.74 h30; Top Layer "集" at 4073.9,1543.74 h30; Top Solder "集" at 4073.9,1543.74 h30; Top Solder "大" at 4178.9,1543.74 h30; Top Solder "电" at 4105.9,1508.74 h30; Top Solder "协" at 4142.9,1508.74 h30
P1: Top Overlay "V" at 3289.95,2100.55 h50 r180; Top Overlay "V" at 3148.22,2100.55 h50 r180
P2: Top Overlay "V" at 3604.8,2098.11 h50 r180; Top Overlay "V" at 3463.06,2098.11 h50 r180
P3: Top Overlay "V" at 3449.91,65.4 h50; Top Overlay "V" at 3591.64,65.4 h50
P4: Top Overlay "V" at 3116.27,64.4 h50; Top Overlay "V" at 3258,64.4 h50